# Altium PCB netv2mvp-pvt1b.PCBDOC (part 1 of 7) (continued)
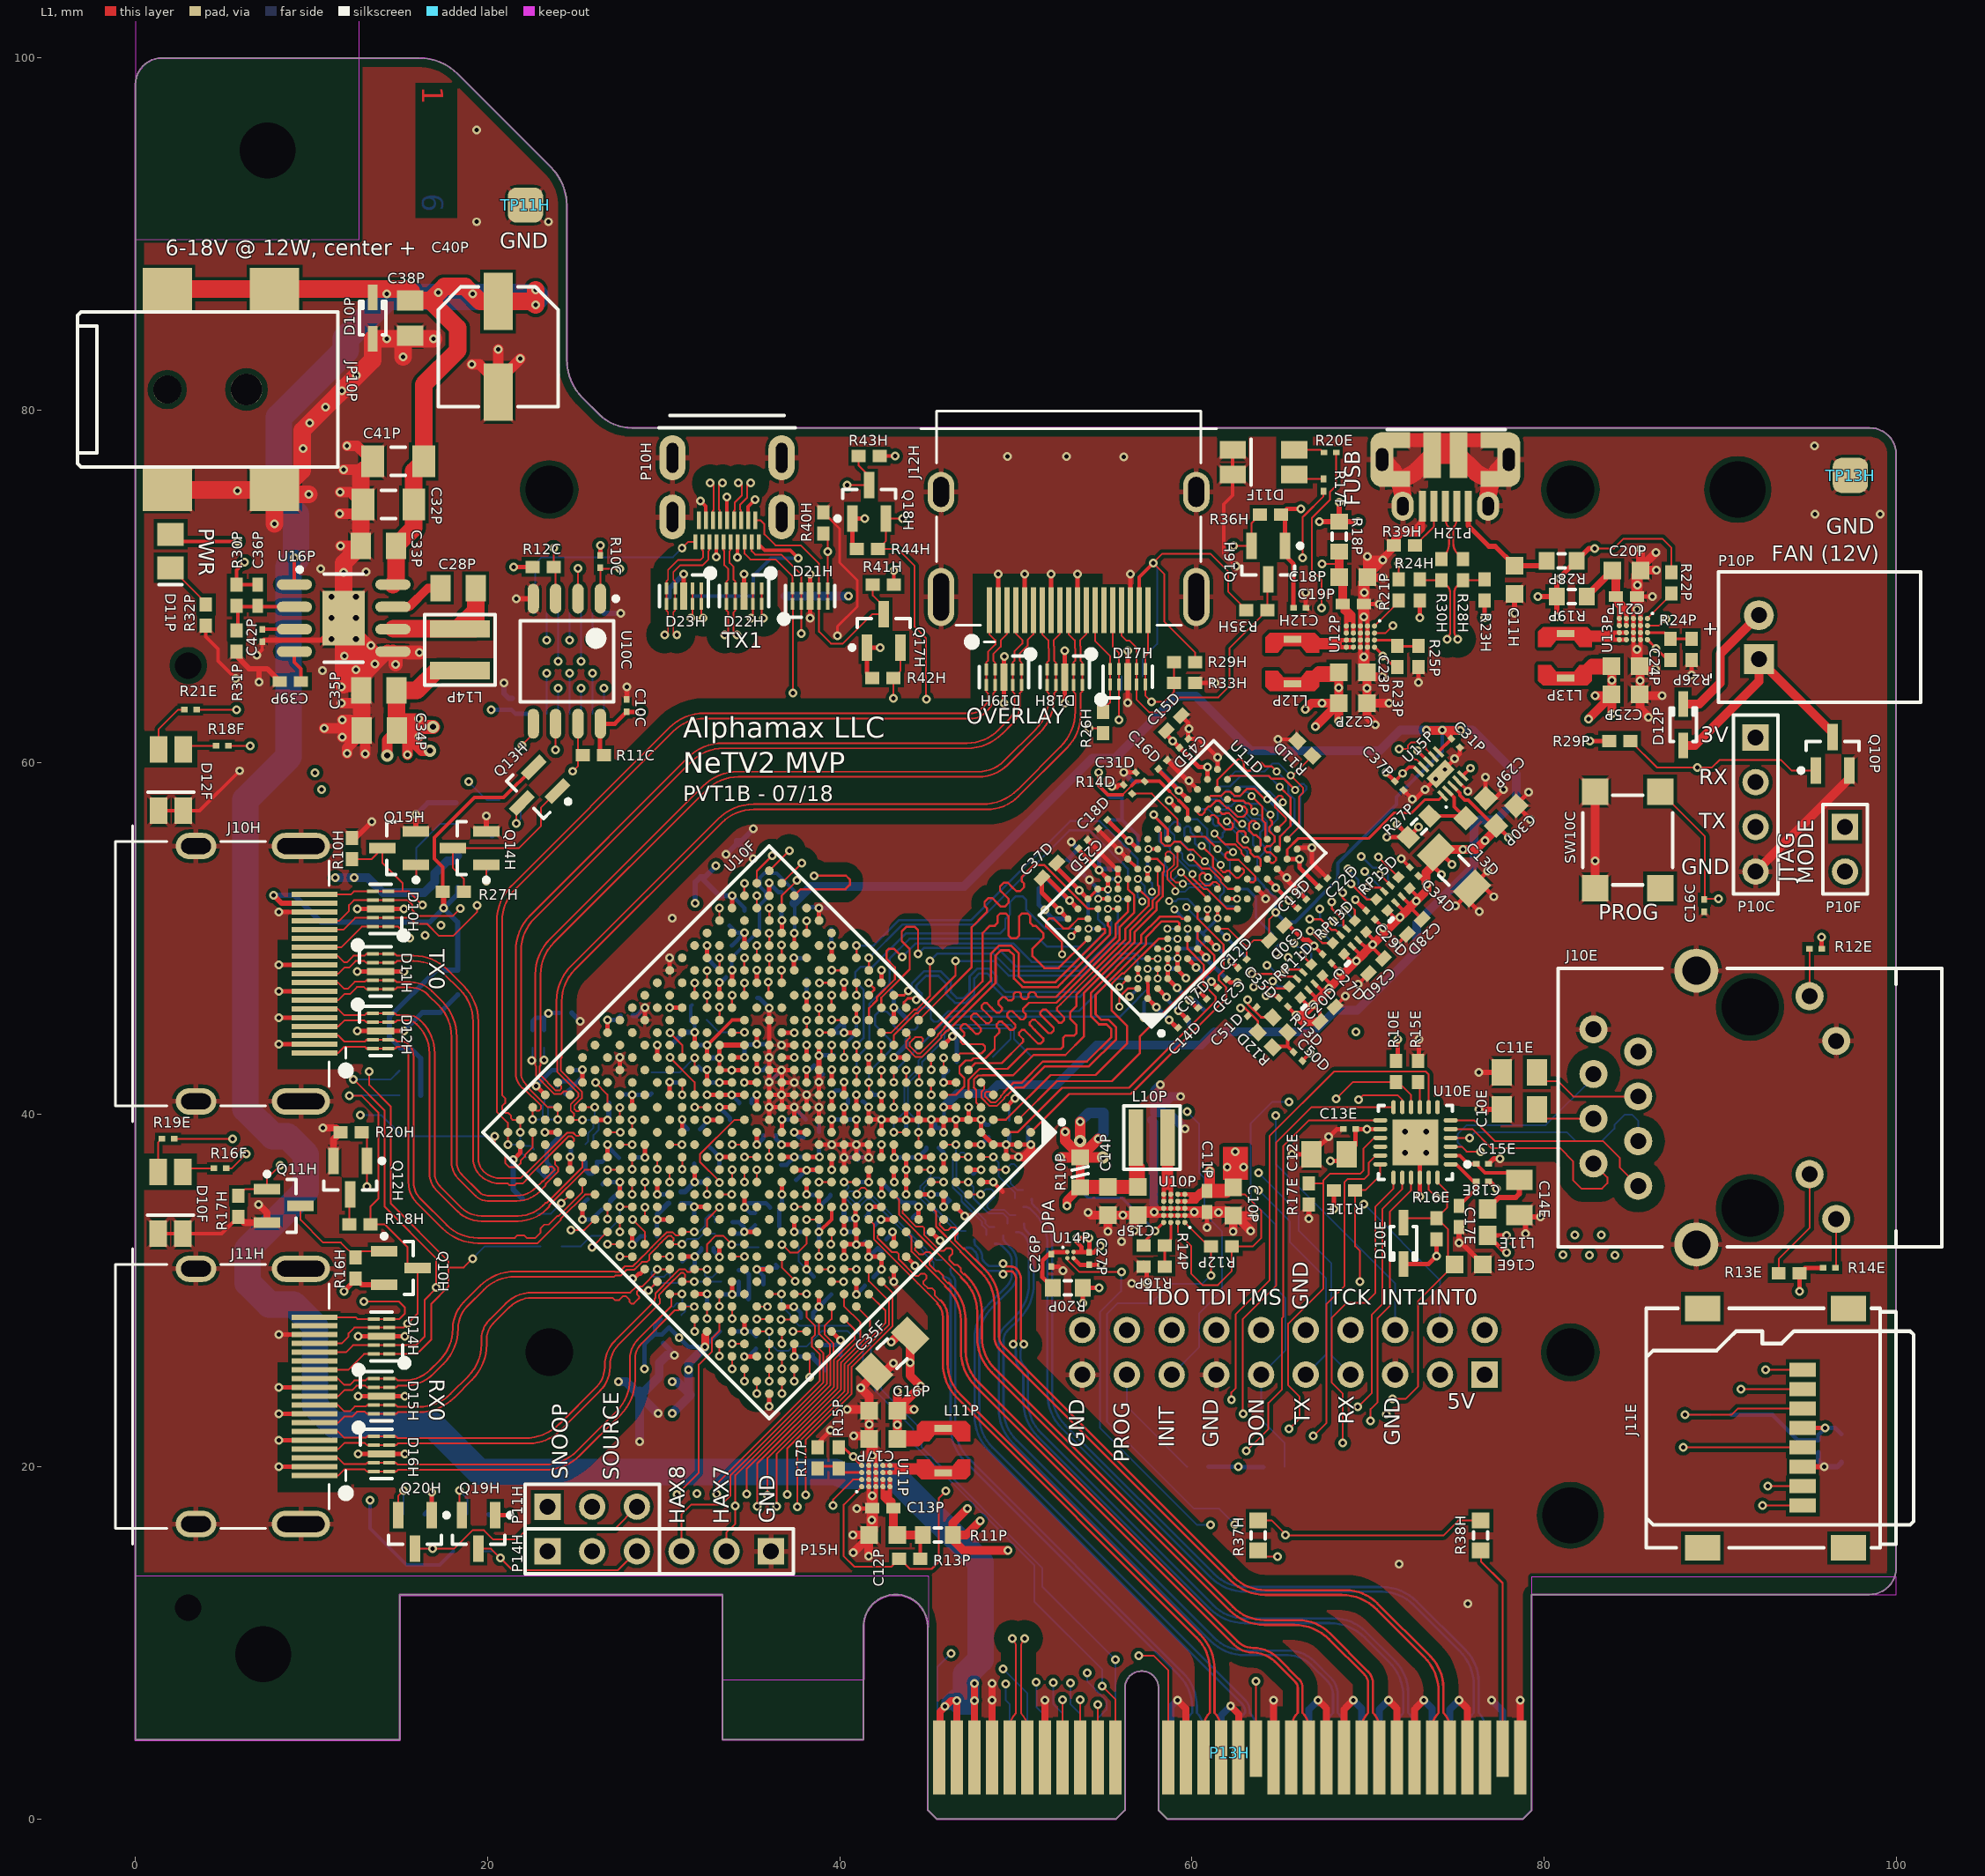
[diagram p0: L1 view]
## Classes and differential pairs (continued)
differential pair TX0_TMDS1: +TX0_TMDS1_P -TX0_TMDS1_N
differential pair TX0_TMDS2: +TX0_TMDS2_P -TX0_TMDS2_N
differential pair TX0_TMDS3: +TX0_TMDS3_P -TX0_TMDS3_N
differential pair TX1_CLK: +TX1_CLK_P -TX1_CLK_N
differential pair TX1_TMDS0: +TX1_TMDS0_P -TX1_TMDS0_N
differential pair TX1_TMDS1: +TX1_TMDS1_P -TX1_TMDS1_N
differential pair TX1_TMDS2: +TX1_TMDS2_P -TX1_TMDS2_N
differential pair FUSB: +FUSB_P -FUSB_N

## Components (designator, comment, footprint, x,y, rotation, side; value= is the part's Value field where it differs from the comment)
C10C "0.1uF, 6.3V, X5R" CAPC0603X03L 27.9,63.225 r90 top
C10D "4.7uF, 6.3V, X5R" CAPC1005N 56.5,58.475 r225 bottom
C10E "0.1uF, 50V, X7R" CAPC2012N 78.6,40.3 r180 top
C10F "4.7uF, 6.3V, X5R" CAPC1005N 43.775,38.3 r90 bottom
C10H "0.1uF, 6.3V, X5R" CAPC0603X03L 21.4,63.3 r90 bottom
C10P "10uF, 6.3V, X5R" CAPC1608N 62.35,35.075 r270 top
C11D "0.1uF, 6.3V, X5R" CAPC0603X03L 54.947,56.493 r225 bottom
C11E "0.1uF, 50V, X7R" CAPC2012N 78.6,42.4 r180 top
C11F "0.1uF, 6.3V, X5R" CAPC0603X03L 38.825,38.675 r90 bottom
C11H "10uF, 6.3V, X5R" CAPC1608N 78.325,70.375 r270 top
C11P "10nF, 25V, X7R" CAPC1005N 60.85,35.075 r270 top
C12D "0.1uF, 6.3V, X5R" CAPC0603X03L 62.867,48.573 r225 top
C12E "22uF, 10V, X5R, 20%" CAPC2012N 67.8,37.75 r180 top
C12F "0.1uF, 6.3V, X5R" CAPC0603X03L 41.75,33.975 r315 bottom
C12H "0.1uF, 6.3V, X5R" CAPC0603X03L 66.125,68.775 r0 top
C12P "10uF, 6.3V, X5R" CAPC1608N 42.475,16.125 r180 top
C13D "100uF, 6.3V, X5R" CAPC3216N 74.88,53.871 r315 top
C13E "0.1uF, 6.3V, X5R" CAPC0603X03L 68.95,39.175 r180 top
C13F "0.47uF, 6.3V, X5R" CAPC0603X03L 33.875,49.25 r90 bottom
C13P "10nF, 25V, X7R" CAPC1005N 42.45,17.65 r180 top
C14D "0.1uF, 6.3V, X5R" CAPC0603X03L 59.473,45.179 r45 top
C14E "22uF, 10V, X5R, 20%" CAPC2012N 78.6,35.3 r270 top
C14F "0.47uF, 6.3V, X5R" CAPC0603X03L 37.7,51.525 r45 bottom
C14P "10uF, 6.3V, X5R" CAPC1608N 55.225,35.1 r270 top
C15D "4.7uF, 6.3V, X5R" CAPC1005N 58.978,62.22 r45 top
C15E "0.1uF, 6.3V, X5R" CAPC0603X03L 76.5,37.2 r0 top
C15F "0.1uF, 6.3V, X5R" CAPC0603X03L 42.4,32.675 r225 bottom
C15P "10uF, 6.3V, X5R" CAPC1608N 56.925,35.1 r270 top
C16C "0.1uF, 6.3V, X5R" CAPC0603X03L 89.1,51.859 r270 top
C16D "0.1uF, 6.3V, X5R" CAPC0603X03L 58.342,59.887 r45 top
C16E "10uF, 6.3V, X5R" CAPC1608N 75.725,31.5 r0 top
C16F "0.1uF, 6.3V, X5R" CAPC0603X03L 48.45,39.075 r90 bottom
C16P "10uF, 6.3V, X5R" CAPC1608N 42.475,23.175 r180 top
C17D "0.1uF, 6.3V, X5R" CAPC0603X03L 60.604,46.31 r45 top
C17E "4.7uF, 6.3V, X5R" CAPC1005N 75.175,34.225 r270 top
C17F "4.7uF, 6.3V, X5R" CAPC1005N 44.575,33.725 r315 bottom
C17P "10uF, 6.3V, X5R" CAPC1608N 42.475,21.575 r180 top
C18D "0.1uF, 6.3V, X5R" CAPC0603X03L 54.947,56.493 r225 top
C18E "0.1uF, 6.3V, X5R" CAPC0603X03L 76.5,36.2 r0 top
C18F "0.47uF, 6.3V, X5R" CAPC0603X03L 45.675,39.5 r225 bottom
C18P "10uF, 6.3V, X5R" CAPC1608N 69.175,70.525 r0 top
C19D "0.1uF, 6.3V, X5R" CAPC0603X03L 66.261,51.967 r45 top
C19E "10uF, 6.3V, X5R" CAPC1608N 96.9,21.05 r270 bottom
C19F "0.47uF, 6.3V, X5R" CAPC0603X03L 39.925,43.625 r225 bottom
C19P "10nF, 25V, X7R" CAPC1005N 69.175,69 r0 top
C20D "4.7uF, 6.3V, X5R" CAPC1005N 67.7,45.7 r45 top
C20E "0.1uF, 6.3V, X5R" CAPC0603X03L 95.6,21.15 r270 bottom
C20F "0.1uF, 6.3V, X5R" CAPC0603X03L 50.196,35.007 r135 bottom
C20P "10uF, 6.3V, X5R" CAPC1608N 84.675,70.9 r0 top
C21D "4.7uF, 6.3V, X5R" CAPC1005N 58.978,62.22 r45 bottom
C21F "0.1uF, 6.3V, X5R" CAPC0603X03L 45.584,31.03 r315 bottom
C21P "10nF, 25V, X7R" CAPC1005N 84.675,69.425 r0 top
C22D "0.22uF, 6.3V, X5R" CAPC0603X03L 67.463,53.169 r45 top
C22F "0.1uF, 6.3V, X5R" CAPC0603X03L 50.656,35.466 r135 bottom
C22P "10uF, 6.3V, X5R" CAPC1608N 69.15,63.375 r0 top
C23D "0.22uF, 6.3V, X5R" CAPC0603X03L 61.736,47.442 r225 top
C23F "0.1uF, 6.3V, X5R" CAPC0603X03L 46.044,31.49 r315 bottom
C23P "10uF, 6.3V, X5R" CAPC1608N 69.15,65.125 r0 top
C24D "0.22uF, 6.3V, X5R" CAPC0603X03L 58.342,59.887 r45 bottom
C24F "0.1uF, 6.3V, X5R" CAPC0603X03L 48.576,32.916 r135 bottom
C24P "10uF, 6.3V, X5R" CAPC1608N 84.625,65.475 r0 top
C25D "0.22uF, 6.3V, X5R" CAPC0603X03L 53.816,55.361 r45 top
C25F "0.1uF, 6.3V, X5R" CAPC0603X03L 49.036,33.376 r135 bottom
C25P "10uF, 6.3V, X5R" CAPC1608N 84.625,63.875 r0 top
C26D "4.7uF, 6.3V, X5R" CAPC1005N 70.455,48.446 r225 top
C26F "0.47uF, 6.3V, X5R" CAPC0603X03L 33.425,39.7 r180 bottom
C26P "1.0uF, 6.3V, X5R" CAPC0603X03L 52.025,31.725 r270 top
C27D "0.1uF, 6.3V, X5R" CAPC0603X03L 67.675,48.856 r315 top
C27F "0.1uF, 6.3V, X5R" CAPC0603X03L 49.768,33.579 r135 bottom
C27P "1.0uF, 6.3V, X5R" CAPC0603X03L 54.175,31.825 r270 top
C28D "4.7uF, 6.3V, X5R" CAPC1005N 72.655,50.671 r225 top
C28F "4.7uF, 6.3V, X5R" CAPC1005N 31.725,41.825 r180 bottom
C28P "0.1uF, 50V, X7R" CAPC2012N 18.325,69.9 r180 top
C29D "0.1uF, 6.3V, X5R" CAPC0603X03L 70.15,51.331 r315 top
C29F "4.7uF, 6.3V, X5R" CAPC1005N 37.1,36.725 r315 bottom
C29P "10uF, 6.3V, X5R" CAPC1608N 76.125,57.4 r45 top
C30D "4.7uF, 6.3V, X5R" CAPC1005N 64.825,50.325 r225 top
C30F "0.47uF, 6.3V, X5R" CAPC0603X03L 41.25,33.1 r315 bottom
C30P "10uF, 6.3V, X5R" CAPC1608N 77.85,56.975 r45 top
C31D "0.1uF, 6.3V, X5R" CAPC0603X03L 57.069,59.18 r135 top
C31F "0.47uF, 6.3V, X5R" CAPC0603X03L 39.125,35.45 r0 bottom
C31P "0.22uF, 6.3V, X5R" CAPC0603X03L 74.975,61.1 r315 top
C32D "0.1uF, 6.3V, X5R" CAPC0603X03L 65.554,50.694 r315 bottom
C32F "0.47uF, 6.3V, X5R" CAPC0603X03L 37.7,38.45 r225 bottom
C32P "10uF, 50V, X7R" CAPC3216N 14.362,74.65 r0 top
C33D "0.1uF, 6.3V, X5R" CAPC0603X03L 65.2,46.381 r315 bottom
C33F "0.47uF, 6.3V, X5R" CAPC0603X03L 38.45,37.225 r315 bottom
C33P "0.1uF, 50V, X7R" CAPC2012N 13.8,72.3 r180 top
C34D "0.1uF, 6.3V, X5R" CAPC0603X03L 72.625,53.806 r315 top
C34F "0.47uF, 6.3V, X5R" CAPC0603X03L 36.025,38.825 r0 bottom
C34P "22uF, 10V, X5R, 20%" CAPC2012N 13.85,61.825 r180 top
C35D "0.1uF, 6.3V, X5R" CAPC0603X03L 65.2,46.381 r315 top
C35F "100uF, 6.3V, X5R" CAPC3216N 42.975,26.425 r225 top
C35P "22uF, 10V, X5R, 20%" CAPC2012N 13.825,64.1 r180 top
C36D "0.1uF, 6.3V, X5R" CAPC0603X03L 59.544,61.089 r45 bottom
C36F "0.1uF, 6.3V, X5R" CAPC0603X03L 50.228,34.038 r135 bottom
C36P "10pF, 50V, NP0" CAPC1005N 6.95,69.5 r270 top
C37D "4.7uF, 6.3V, X5R" CAPC1005N 51.907,53.876 r225 top
C37F "0.1uF, 6.3V, X5R" CAPC0603X03L 46.945,32.69 r135 bottom
C37P "0.1uF, 6.3V, X5R" CAPC0603X03L 71.775,58.675 r315 top
C38D "0.1uF, 6.3V, X5R" CAPC0603X03L 67.463,53.169 r45 bottom
C38F "4.7uF, 6.3V, X5R" CAPC1005N 40.15,39.05 r270 bottom
C38P "0.1uF, 50V, X7R" CAPC2012N 15.6,85.225 r270 top
C39D "0.1uF, 6.3V, X5R" CAPC0603X03L 62.867,48.573 r225 bottom
C39F "0.47uF, 6.3V, X5R" CAPC0603X03L 34.65,40.65 r180 bottom
C39P "3300pF, 25V, X7R" CAPC1005N 8.8,64.6 r180 top
C40D "0.1uF, 6.3V, X5R" CAPC0603X03L 61.736,47.442 r225 bottom
C40F "0.1uF, 6.3V, X5R" CAPC0603X03L 47.404,33.15 r135 bottom
C40P "47uF, 25V, 20%" CAPAE7066X61N 20.6,83.6 r270 top
C41D "0.1uF, 6.3V, X5R" CAPC0603X03L 66.261,51.967 r45 bottom
C41F "0.47uF, 6.3V, X5R" CAPC0603X03L 40.225,41.125 r315 bottom
C41P "10uF, 50V, X7R" CAPC3216N 14.915,77.1 r0 top
C42D "0.1uF, 6.3V, X5R" CAPC0603X03L 67.675,48.856 r315 bottom
C42F "0.47uF, 6.3V, X5R" CAPC0603X03L 36.075,42.45 r315 bottom
C42P "1.0uF, 6.3V, X5R" CAPC0603X03L 7.2,67.2 r270 top
C43D "0.1uF, 6.3V, X5R" CAPC0603X03L 70.15,51.331 r315 bottom
C43F "0.47uF, 6.3V, X5R" CAPC0603X03L 38.8,42.55 r315 bottom
C44D "4.7uF, 6.3V, X5R" CAPC1005N 60.251,45.532 r225 bottom
C44F "0.47uF, 6.3V, X5R" CAPC0603X03L 45.275,38.125 r0 bottom
C45D "0.22uF, 6.3V, X5R" CAPC0603X03L 59.544,61.089 r45 top
C45F "0.47uF, 6.3V, X5R" CAPC0603X03L 37.725,39.725 r0 bottom
C46D "0.22uF, 6.3V, X5R" CAPC0603X03L 53.816,55.361 r225 bottom
C46F "4.7uF, 6.3V, X5R" CAPC1005N 33.85,43.975 r180 bottom
C47D "0.22uF, 6.3V, X5R" CAPC0603X03L 52.685,54.23 r45 bottom
C47F "4.7uF, 6.3V, X5R" CAPC1005N 36,44.675 r90 bottom
C48D "0.22uF, 6.3V, X5R" CAPC0603X03L 51.553,53.098 r45 bottom
C48F "4.7uF, 6.3V, X5R" CAPC1005N 41.025,36.825 r90 bottom
C49D "100uF, 6.3V, X5R" CAPC3216N 33.125,54.525 r225 bottom
C49F "100uF, 6.3V, X5R" CAPC3216N 56.435,40.1 r0 bottom
C50D "0.1uF, 6.3V, X5R" CAPC0603X03L 66.025,43.3 r135 top
C50F "100uF, 6.3V, X5R" CAPC3216N 30.075,24.025 r180 bottom
C51D "3.3pF, NP0" CAPC0603X03L 63.425,45.85 r225 top
C51F "0.47uF, 6.3V, X5R" CAPC0603X03L 27.8,37.55 r0 bottom
C52F "0.47uF, 6.3V, X5R" CAPC0603X03L 32.5,32.425 r0 bottom
C53F "0.47uF, 6.3V, X5R" CAPC0603X03L 30.625,35.625 r0 bottom
C54F "0.47uF, 6.3V, X5R" CAPC0603X03L 35.25,27.05 r90 bottom
C55F "0.47uF, 6.3V, X5R" CAPC0603X03L 35.2,34.075 r90 bottom
C56F "4.7uF, 6.3V, X5R" CAPC1005N 29.325,26.325 r315 bottom
C57F "4.7uF, 6.3V, X5R" CAPC1005N 31.05,34.09 r180 bottom
C58F "4.7uF, 6.3V, X5R" CAPC1005N 31.05,43.975 r180 bottom
C59F "0.47uF, 6.3V, X5R" CAPC0603X03L 41.55,41 r225 bottom
C60F "0.47uF, 6.3V, X5R" CAPC0603X03L 42.675,47.275 r315 bottom
C61F "0.47uF, 6.3V, X5R" CAPC0603X03L 35.325,46.975 r270 bottom
C62F "0.47uF, 6.3V, X5R" CAPC0603X03L 39.2,44.275 r225 bottom
C63F "4.7uF, 6.3V, X5R" CAPC1005N 39.525,51.125 r90 bottom
C64F "4.7uF, 6.3V, X5R" CAPC1005N 43.8,44.85 r90 bottom
C65F "4.7uF, 6.3V, X5R" CAPC1005N 50.7,39.875 r270 bottom
C66F "0.47uF, 6.3V, X5R" CAPC0603X03L 32.225,42.975 r45 bottom
C67F "0.47uF, 6.3V, X5R" CAPC0603X03L 41.675,30.525 r45 bottom
C68F "0.47uF, 6.3V, X5R" CAPC0603X03L 33.55,27.675 r0 bottom
C69F "0.47uF, 6.3V, X5R" CAPC0603X03L 38.15,28.475 r0 bottom
C70F "4.7uF, 6.3V, X5R" CAPC1005N 39.5,34.075 r0 bottom
C71F "4.7uF, 6.3V, X5R" CAPC1005N 32.249,37.899 r225 bottom
C72F "4.7uF, 6.3V, X5R" CAPC1005N 39.6,25.925 r225 bottom
C73F "0.47uF, 6.3V, X5R" CAPC0603X03L 46.4,42.75 r45 bottom
C74F "0.47uF, 6.3V, X5R" CAPC0603X03L 49.625,39.325 r270 bottom
C75F "0.47uF, 6.3V, X5R" CAPC0603X03L 36.7,52.275 r90 bottom
C76F "0.47uF, 6.3V, X5R" CAPC0603X03L 33.3,48.05 r315 bottom
C77F "4.7uF, 6.3V, X5R" CAPC1005N 40.25,46.075 r90 bottom
C78F "4.7uF, 6.3V, X5R" CAPC1005N 34.175,51.15 r225 bottom
C79F "4.7uF, 6.3V, X5R" CAPC1005N 38.125,48.275 r90 bottom
C80F "0.47uF, 6.3V, X5R" CAPC0603X03L 38.475,33 r135 bottom
C81F "0.47uF, 6.3V, X5R" CAPC0603X03L 24.38,38.56 r315 bottom
C82F "0.47uF, 6.3V, X5R" CAPC0603X03L 29.25,33.1 r0 bottom
C83F "0.47uF, 6.3V, X5R" CAPC0603X03L 24.25,42.525 r180 bottom
C84F "4.7uF, 6.3V, X5R" CAPC1005N 26.1,35.625 r45 bottom
C85F "4.7uF, 6.3V, X5R" CAPC1005N 39.125,30.2 r315 bottom
C86F "4.7uF, 6.3V, X5R" CAPC1005N 35.2,29.85 r45 bottom
C87F "0.1uF, 6.3V, X5R" CAPC0603X03L 46.5,34.875 r315 bottom
C88F "0.1uF, 6.3V, X5R" CAPC0603X03L 47.825,36.4 r315 bottom
C89F "0.1uF, 6.3V, X5R" CAPC0603X03L 36.375,34.725 r180 bottom
C90F "0.47uF, 6.3V, X5R" CAPC0603X03L 24.425,45.775 r0 bottom
C91F "0.47uF, 6.3V, X5R" CAPC0603X03L 29.75,27.25 r315 bottom
C92F "0.47uF, 6.3V, X5R" CAPC0603X03L 32.825,29.45 r225 bottom
C93F "0.47uF, 6.3V, X5R" CAPC0603X03L 31.725,39.175 r0 bottom
C94F "0.47uF, 6.3V, X5R" CAPC0603X03L 26.725,34.85 r45 bottom
C95F "0.47uF, 6.3V, X5R" CAPC0603X03L 27.9,45.625 r0 bottom
C96F "0.47uF, 6.3V, X5R" CAPC0603X03L 27.125,40.9 r225 bottom
C97F "0.47uF, 6.3V, X5R" CAPC0603X03L 32.75,36.6 r225 bottom
C98F "0.47uF, 6.3V, X5R" CAPC0603X03L 30.625,34.975 r180 bottom
C99F "0.47uF, 6.3V, X5R" CAPC0603X03L 38.7,26.6 r225 bottom
D10E "NSR0530HT1G" SOD-323 72.025,32.7 r270 top
D10F "Red/Green Dual LED" LED_1210_DUAL 2,35 r90 top
D10H "RCLAMP0524P" SEMTECH_SLP2510P8 13.925,51.675 r90 top
D10P "PESD24VS1UA,115" SOD-323 13.465,85.225 r90 top
D11F "Red/Green Dual LED" LED_1210_DUAL 64.075,77.05 r0 top
D11H "RCLAMP0524P" SEMTECH_SLP2510P8 13.925,48.125 r270 top
D11P "white LED" CD2012-0805 2,72 r270 top
D12F "Red/Green Dual LED" LED_1210_DUAL 2.025,59 r90 top
D12H "RCLAMP0524P" SEMTECH_SLP2510P8 13.925,44.75 r270 top
D12P "NSR0530HT1G" SOD-323 87.9,62.15 r90 top
D13H "ESD5Z5.0T1G" SOD-523 18.3,47.5 r270 bottom
D14H "RCLAMP0524P" SEMTECH_SLP2510P8 13.975,27.4 r90 top
D15H "RCLAMP0524P" SEMTECH_SLP2510P8 13.975,24 r270 top
D16H "RCLAMP0524P" SEMTECH_SLP2510P8 13.975,20.725 r270 top
D17H "RCLAMP0524P" SEMTECH_SLP2510P8 56.35,64.875 r0 top
D18H "RCLAMP0524P" SEMTECH_SLP2510P8 52.775,64.85 r180 top
D19H "RCLAMP0524P" SEMTECH_SLP2510P8 49.325,64.85 r180 top
D20H "ESD5Z5.0T1G" SOD-523 30.875,69.35 r180 bottom
D21H "RCLAMP0524P" SEMTECH_SLP2510P8 38.325,69.45 r0 top
D22H "RCLAMP0524P" SEMTECH_SLP2510P8 34.575,69.45 r180 top
D23H "RCLAMP0524P" SEMTECH_SLP2510P8 31.15,69.45 r180 top
F10H "PRG21BB150MB1RK" RESC2012N 18.7,53.8 r270 bottom
F11H "PRG21BB150MB1RK" RESC2012N 36,69.45 r180 bottom
J10E "KAWEEI CMJ015J-8P8CX-R01GYC / AMP RJMG1BD3B8K1ANR" UDE_RB1-125BAG1A 91.7,40.4 r90 top locked
J10H "AUK HDM19SW-4-L2-1R3HHCN" MOLEX_47151-0001 9.4,48 r270 top
J11E "KAWEEI CTFD001-S-01-WC" AUK_TFC08W01-HC-H 94.7,22.2 r270 top
J11H "AUK HDM19SW-4-L2-1R3HHCN" MOLEX_47151-0001 9.4,24 r270 top
J12H "AUK HDM19SW-4-L2-1R3HHCN" MOLEX_47151-0001 53,69.4 r180 top locked
JP10P "2.1mm x 5.5mm DC jack" CUI_PJ_002AH_SMT 6.305,81.175 r0 top
L10P "0.50uH XEL3530-501ME" COILCRAFT_XEL3530 57.725,38.7 r180 top
L11E "BLM18KG121" INDC1608AN 76.8,33.9 r90 top value="3A 120 ohm"
L11P "0.56uH LPS3008-561MRC" COILCRAFT_LPS3008 45.875,20.925 r90 top
L12P "0.56uH LPS3008-561MRC" COILCRAFT_LPS3008 65.725,65.725 r270 top
L13P "0.56uH LPS3008-561MRC" COILCRAFT_LPS3008 81.225,66.05 r270 top
L14P "3.3uH XEL4030-332ME" COILCRAFT_XEL4030 18.425,66.4 r270 top
P10C "Male 4x1 2.54mm header (DNP)" HDR1X4 92.02,61.42 r270 top
P10F "Header 2 (DNP)" HDR1X2 97.1,56.34 r270 top
P10H "HDMI Type D" MOLEX_0467651301 33.6,79 r180 top
P10P "JST S2B-XH-A" JST_S2B_XH_A 92.2,67.109 r270 top
P11C "Female 10x2 2.54mm header" HDR2X10 76.63,25.23 r180 bottom locked
P11H "Male 3x2.54mm header" HDR1X3 23.4,17.74 r0 top
P12H "KAWEEI CMCUSB-5BFM14M-01-X" "USB_MICRO_B_SMT - KAWEEI" 74.4,77.2 r180 top
P13H "PCIeX4-GF-2D-1000-1K-O64" PCIeX4-GF-2D-1000-1K-O64 55.15,3.5 r0 top locked
P14H "Male 3x2.54mm header" HDR1X3 23.4,15.2 r0 top
P15H "Male 3x2.54mm header (DNP)" HDR1X3 36.1,15.2 r180 top
Q10H "BSS84" SOT23-3N 15.075,31.3 r0 top
Q10P "BSS138" SOT23-3N 96.4,60.497 r90 top
Q11H "BSS138" SOT23-3N 8.425,34.825 r0 top
Q12H "BSS138" SOT23-3N 12.2,36.425 r270 top
Q13H "BSS84" SOT23-3N 22.625,58.375 r225 top
Q14H "BSS138" SOT23-3N 18.975,55.125 r180 top
Q15H "BSS138" SOT23-3N 14.975,55.125 r180 top
Q16H "BSS138" SOT23-3N 64.35,71.35 r270 top
Q17H "BSS138" SOT23-3N 42.5,67.475 r90 top
Q18H "BSS138" SOT23-3N 41.675,74.8 r90 top
Q19H "BSS138" SOT23-3N 19.49,16.3 r270 top
Q20H "BSS138" SOT23-3N 15.865,16.3 r270 top
R10C "2.4k, 1%" CAPC0603X03L 26.4,71.4 r270 top
R10D "240, 1%" CAPC0603X03L 64.847,49.987 r135 bottom
R10E "1k, 1%" RESC1005N 71.6,42.45 r90 top
R10F "1k, 1%" RESC1005N 22.4,34.8 r135 bottom
R10H "100k, 1%" RESC1005N 12.3,55.1 r270 top
R10P "0 ohm" RESC1608N 53.65,36.728 r270 top (schematic designator R38H)
R11C "4.7k, 1%" RESC1005N 26,60.425 r180 top
R11D "4.7k, 1%" RESC1005N 66.425,60.8 r315 top
R11E "1k, 1%" RESC1005N 68.675,35.7 r180 top
R11F "100, 1%" RESC1005N 42.375,36.875 r270 bottom
R11H "51/RP" PANASONIC_EXB24V 30.3,27.91 r135 bottom
R11P "0 ohm" RESC1608N 45.575,16.125 r180 top
R12C "4.7k, 1%" RESC1005N 23.15,71.1 r0 top
R12D "43, 1%" RESC1005N 64.175,44.25 r315 top
R12E "240, 1%" CAPC0603X03L 95.425,49.425 r0 top
R12F "4.7k, 1%" RESC1005N 60.325,20 r0 bottom
R12H "51/RP" PANASONIC_EXB24V 33.27,30.51 r90 bottom
R12P "100k, 1%" RESC1005N 61.675,32.525 r0 top
R13D "43, 1%" RESC1005N 65.025,45.1 r315 top
R13E "4.7k, 1%" RESC1005N 93.925,31 r180 top
R13F "4.7k, 1%" RESC1005N 29.3,41.8 r270 bottom
R13H "51/RP" PANASONIC_EXB24V 31.075,31.675 r315 bottom
R13P "100k, 1%" RESC1005N 43.975,14.775 r0 top
R14D "240, 1%" CAPC0603X03L 56.362,58.472 r315 top
R14E "240, 1%" CAPC0603X03L 96.2,31.3 r180 top
R14F "330, 1%" RESC1005N 64.675,20 r180 bottom
R14H "51/RP" PANASONIC_EXB24V 32.91,33.24 r90 bottom
R14P "100k, 1%" RESC1005N 57.85,32.575 r180 top
R15E "6.49k, 1%" RESC1005N 72.85,42.45 r270 top
R15F "1k, 1%" RESC1005N 32.025,45.8 r315 bottom
R15H "39, 1%" RESC1005N 23.6,32.525 r0 bottom
R15P "100k, 1%" RESC1005N 39.95,20.5 r90 top
R16E "10k, 1%" RESC1005N 73.9,33.525 r90 top
R16F "240, 1%" CAPC0603X03L 4.8,36.95 r0 top
R16H "1k, 1%" RESC1005N 12.5,31.3 r90 top
R16P "402k, 1%" RESC1005N 57.85,31.375 r180 top
R17E "1k, 1%" RESC1005N 66.65,35.5 r90 top
R17F "240, 1%" CAPC0603X03L 67.475,75.75 r270 top
R17H "1k, 1%" RESC1005N 5.85,34.8 r270 top
R17P "80.6k, 1%" RESC1005N 38.75,20.5 r90 top
R18E "10k, 1%" RESC1005N 90.025,22.95 r180 bottom
R18F "240, 1%" CAPC0603X03L 4.925,60.95 r0 top
R18H "39, 1%" RESC1005N 12.75,33.775 r0 top
R18P "0 ohm" RESC1608N 68.375,72.825 r270 top
R19E "240, 1%" CAPC0603X03L 1.85,38.625 r0 top
R19H "51/RP" PANASONIC_EXB24V 22.18,37.56 r45 bottom
R19P "0 ohm" RESC1608N 81.575,69.425 r0 top
R20E "240, 1%" CAPC0603X03L 67.85,77.6 r0 top
R20H "1k, 1%" RESC1005N 12.25,39 r180 top
R20P "0 ohm" RESC1608N 52.95,30.175 r0 top
R21E "240, 1%" CAPC0603X03L 3.125,63 r0 top
R21H "51/RP" PANASONIC_EXB24V 23.95,41.63 r315 bottom
R21P "100k, 1%" RESC1005N 71.75,69.8 r270 top
R22H "51/RP" PANASONIC_EXB24V 22.55,44.8 r0 bottom
R22P "100k, 1%" RESC1005N 87.225,70.2 r90 top
R23H "1.5k, 1%" RESC1005N 76.625,69.8 r90 top
R23P "100k, 1%" RESC1005N 71.675,66.025 r270 top
R24H "1.5k, 1% (DNP)" RESC1005N 72.95,69.8 r90 top
R24P "100k, 1%" RESC1005N 87.175,66.425 r270 top
R25H "51/RP" PANASONIC_EXB24V 25.55,38.31 r0 bottom
R25P "115k, 1%" RESC1005N 72.875,66.025 r270 top
R26H "39, 1%" RESC1005N 54.95,62.275 r270 top
R26P "31.6k, 1%" RESC1005N 88.375,66.425 r270 top
R27H "1k, 1%" RESC1005N 18.05,52.65 r0 top
R27P "0 ohm" RESC1608N 72.9,56.35 r225 top
R28H "39, 1%" RESC1005N 75.4,70.95 r90 top
R28P "0 ohm (DNP)" RESC1608N 81,71.45 r180 top
R29H "1k, 1%" RESC1005N 59.575,65.7 r0 top
R29P "100k, 1%" RESC1005N 84.3,61.225 r180 top
R30H "39, 1%" RESC1005N 74.175,70.95 r90 top
R30P "124k, 1%" RESC1005N 5.75,69.5 r90 top
R31H "1k, 1%" RESC1005N 20.5,55 r90 bottom
R31P "22.1k, 1%" RESC1005N 5.75,66.9 r90 top
R32H "39, 1%" RESC1005N 21.275,57.85 r0 bottom
R32P "3.3k, 1%" RESC1005N 4,68.375 r270 top value=100k
R33H "10k, 1%" RESC1005N 59.575,64.525 r0 top
R34H "1k, 1%" RESC1005N 18.2,57.1 r90 bottom
R35H "47k, 1%" RESC1005N 63.7,68.65 r0 top value=100k
R36H "1.8k, 1%" RESC1005N 64.475,74.075 r180 top value=100k
R37H "DNP" RESC1608N 63.775,16.1 r90 top
R38H "0 ohm" RESC1608N 76.4,16.1 r90 top
R39H "DNP" RESC1005N 72.075,72.325 r180 top
R40H "100k, 1%" RESC1005N 39.075,73.6 r270 top
R41H "1.8k, 1%" RESC1005N 42.475,70.1 r180 top value=100k
R42H "1.8k, 1%" RESC1005N 42.45,64.8 r0 top value=100k
R43H "1.8k, 1%" RESC1005N 41.675,77.4 r180 top value=100k
R44H "1.8k, 1%" RESC1005N 41.575,72.125 r0 top value=100k
R45H "1.8k, 1%" RESC1005N 18.65,15.2 r0 bottom value=100k
R46H "1.8k, 1%" RESC1005N 19.45,17.3 r180 bottom value=100k
R47H "1.8k, 1%" RESC1005N 15.225,15.2 r0 bottom value=100k
R48H "1.8k, 1%" RESC1005N 15.825,17.3 r180 bottom value=100k
R49H "47k, 1%" RESC1005N 15.6,42.5 r180 bottom value=100k
R50H "47k, 1%" RESC1005N 15.6,41.1 r180 bottom value=100k
R51H "47k, 1%" RESC1005N 56.6,64.9 r180 bottom value=100k
RP10D "43, 5%" PANASONIC_EXB28V 67.322,47.795 r225 bottom
RP11D "43, 5%" PANASONIC_EXB28V 66.261,46.734 r45 top
RP12D "43, 5%" PANASONIC_EXB28V 69.797,50.27 r225 bottom
RP13D "43, 5%" PANASONIC_EXB28V 68.736,49.209 r45 top
RP14D "43, 5%" PANASONIC_EXB28V 72.272,52.745 r225 bottom
RP15D "43, 5%" PANASONIC_EXB28V 71.211,51.684 r45 top
SW10C "5x5mm 1.6mm tall PB" SWITCH_TS-1187A 82.9,58.346 r0 top
TP10H "test point (DNP)" TP_2MM_SQ 50.925,43.275 r90 bottom
TP11H "test point (DNP)" TP_2MM_SQ 22.15,91.65 r90 top
TP12H "test point (DNP)" TP_2MM_SQ 48.7,43.275 r0 bottom
TP13H "test point (DNP)" TP_2MM_SQ 97.4,76.3 r90 top
U10C "W25Q64JVSSIM" SOIC127P790X216-8N 24.5,65.75 r270 top
U10D "MT41J128M16HA-125" MICT-HA-96 59.473,53.098 r315 bottom locked
U10E "KSZ8081RND" QFN50P400X400-24VBN 72.7,38.425 r180 top
U10F "XC7A35T-2FGG484C" FGG484 36,39 r225 top locked
U10H "74AHC14PW,118" TSOP65P640-14AN 24.65,65.625 r270 bottom
U10P "FAN53541UCX" BGA20C40P4X5_156X196X62 59,34.675 r180 top
U11D "MT41J128M16HA-125" MICT-HA-96 59.473,53.098 r135 top locked
U11F "50 MHz oscillator" ABRACON_ASDMB 36.49,32.411 r225 bottom
U11P "FAN53541UCX" BGA20C40P4X5_156X196X62 42.05,19.475 r90 top
U12P "FAN53541UCX" BGA20C40P4X5_156X196X62 69.575,67.15 r270 top
U13P "FAN53541UCX" BGA20C40P4X5_156X196X62 85.075,67.575 r270 top
U14P "LP5907UVX-1.2/NOPB" TI_YKE004 53.1,32.025 r0 top
U15P "TPS51206" TI-DSQ-R-PWSON-N10 74.25,58.1 r135 top
U16P "TPS54327DDA" SOIC127P600-8DN 11.825,68.2 r0 top

## Footprints (in the part's own frame and the unit in brackets; to place one, negate y for a bottom-side part, rotate by r counter-clockwise, add the part's x,y. Pads: shape width x height; smd on the part's side, far side on the other; paste and mask are expansions set on the pad)
ABRACON_ASDMB [mm] "Abracon Miniature Pure Silicon Clock Oscillator"
  oct 0.65x0.85 smd mask+0.07: 1(-0.825,-0.775)
  rect 0.65x0.85 smd mask+0.07: 2(0.825,-0.775) 3(0.825,0.775) 4(-0.825,0.775)
  silkscreen extent -1.6,-1.1 0.3,1.1, body extent -1.25,-1 1.25,1, height 0.85
AUK_TFC08W01-HC-H [mm] "Micro-SD hinge-lock card (for captive board mount)"
  rect 1.45x2 smd mask+0.07: 0(-6.8,2.6) 0(-6.8,-5.7) 0(6.8,2.6) 0(6.8,-5.7)
  rect 0.8x1.5 smd mask+0.07: 1(-3.3,0) 2(-2.2,0) 3(-1.1,0) 4(0,0) 5(1.1,0) 6(2.2,0) 7(3.3,0) 8(4.4,0)
  silkscreen extent -6.8,-8.9 6.8,6.3, body extent -6.8,-8.9 6.8,5.3, height 1.9
BGA20C40P4X5_156X196X62 [mm] "BGA, 20-Leads, Body 1.56x1.96mmx0.63mm, Pitch 0.40mm"
  round 0.3 smd mask-0.05: A1(-0.6,0.8) A2(-0.2,0.8) A3(0.2,0.8) A4(0.6,0.8) B1(-0.6,0.4) B2(-0.2,0.4) B3(0.2,0.4) B4(0.6,0.4) C1(-0.6,0) C2(-0.2,0) C3(0.2,0) C4(0.6,0) D1(-0.6,-0.4) D2(-0.2,-0.4) D3(0.2,-0.4) D4(0.6,-0.4) E1(-0.6,-0.8) E2(-0.2,-0.8) E3(0.2,-0.8) E4(0.6,-0.8)
  silkscreen extent -0.93,1.04 -0.84,1.13, body extent -0.78,-0.98 0.78,0.98, height 0.63
CAPAE7066X61N [mm] "Aluminum Electrolytic Capacitor, Body 6.3mm dia, 5.8mm height, IPC Medium Density"
  rect 3.25x1.65 smd: 1(-2.575,0) 2(2.575,0)
  silkscreen extent -3.4,-3.4 3.4,3.4, body extent -3.4,-3.4 3.4,3.4, height 6.1
CAPC0603X03L [mm] "Chip Capacitor, 2-Leads, Body 0.60x0.30mm, IPC High Density"
  rect 0.38x0.32 smd mask+0.07: 1(-0.35,0) 2(0.35,0)
  body extent -0.3,-0.15 0.3,0.15, height 0.3
CAPC1005N [mm] "Chip Capacitor, Body 1.0x0.5mm, IPC Medium Density"
  rect 0.8x0.6 smd: 1(-0.6,0) 2(0.6,0)
  body extent -0.55,-0.3 0.55,0.3, height 0.6
CAPC1608N [mm] "Chip Capacitor, Body 1.6x0.8mm, IPC Medium Density"
  rect 1x1 smd: 1(-0.8,0) 2(0.8,0)
  body extent -0.87,-0.48 0.87,0.48, height 0.85
CAPC2012N [mm] "Chip Capacitor, Body 2.0x1.3mm, IPC Medium Density"
  rect 1.15x1.5 smd: 1(-1,0) 2(1,0)
  body extent -1.1,-0.72 1.1,0.72, height 1.1
CAPC3216N [mm] "Chip Capacitor, Body 3.2x1.6mm, IPC Medium Density"
  rect 1.3x1.8 smd: 1(-1.45,0) 2(1.45,0)
  silkscreen extent -0.4,-0.8 0.4,0.8, body extent -1.7,-0.9 1.7,0.9, height 1.35
CD2012-0805 [mm] "Chip Diode; Body 2.0 x 1.3 mm (LxW typ)"
  rect 1.3x1.5 smd: 1(-0.95,0) 2(0.95,0)
  silkscreen extent 1.9,-0.65 1.9,0.65
COILCRAFT_LPS3008 [mm] "3x3x0.8mm inductor"
  rect 0.4x1 smd: 1(-1.257,0) 2(1.257,0)
  L1 region: -0.495,1.499 -1.384,1.499 -1.638,1.245 -1.638,-1.295 -1.384,-1.549 -0.495,-1.549 -0.495,-0.838 -0.876,-0.533 -0.876,0.483 -0.495,0.787
  L1 region: 0.521,-1.549 1.41,-1.549 1.664,-1.295 1.664,1.245 1.41,1.499 0.521,1.499 0.521,0.787 0.902,0.483 0.902,-0.533 0.521,-0.838
  body extent -1.49,-1.53 1.51,1.47, height 0.81
COILCRAFT_XEL3530 [mm] "Coilcraft Shielded Power Inductor"
  rect 0.81x3.2 smd: 1(-0.9,0) 2(0.9,0)
  silkscreen extent -1.6,-1.8 1.6,1.8, body extent -1.67,-1.83 1.68,1.82, height 3
COILCRAFT_XEL4030 [mm] "Coilcraft XEL4030"
  rect 0.98x3.4 smd: 1(-1.185,0) 2(1.185,0)
  silkscreen extent -2,-2 2,2, body extent -2,-2 2,2, height 3.1
CUI_PJ_002AH_SMT [mm] "SMT 2.1mmx5.5mm ID (P-5) connector"
  round 1.6 hole 1.6 unplated: 0(-4.5,0)
  round 1.8 hole 1.8 unplated: 0(0,0)
  rect 2.8x2.4 smd: 1(-4.5,5.7) 1(1.6,5.7) 2(-4.5,-5.7) 3(1.6,-5.7)
  silkscreen extent -9.6,-4.4 5.2,4.4, body extent -9.5,-6.3 5.3,6.3, height 11.19
FGG484 [mm] "BGA, 484-Balls, Body 23x23mm, Pitch 1mm"
  round 0.5 smd: A1(-10.5,10.5) A2(-9.5,10.5) A3(-8.5,10.5) A4(-7.5,10.5) A5(-6.5,10.5) A6(-5.5,10.5) A7(-4.5,10.5) A8(-3.5,10.5) A9(-2.5,10.5) A10(-1.5,10.5) A11(-0.5,10.5) A12(0.5,10.5) A13(1.5,10.5) A14(2.5,10.5) A15(3.5,10.5) A16(4.5,10.5) A17(5.5,10.5) A18(6.5,10.5) A19(7.5,10.5) A20(8.5,10.5) A21(9.5,10.5) A22(10.5,10.5) AA1(-10.5,-9.5) AA2(-9.5,-9.5) AA3(-8.5,-9.5) AA4(-7.5,-9.5) AA5(-6.5,-9.5) AA6(-5.5,-9.5) AA7(-4.5,-9.5) AA8(-3.5,-9.5) AA9(-2.5,-9.5) AA10(-1.5,-9.5) AA11(-0.5,-9.5) AA12(0.5,-9.5) AA13(1.5,-9.5) AA14(2.5,-9.5) AA15(3.5,-9.5) AA16(4.5,-9.5) AA17(5.5,-9.5) AA18(6.5,-9.5) AA19(7.5,-9.5) AA20(8.5,-9.5) AA21(9.5,-9.5) AA22(10.5,-9.5) AB1(-10.5,-10.5) AB2(-9.5,-10.5) AB3(-8.5,-10.5) AB4(-7.5,-10.5) AB5(-6.5,-10.5) AB6(-5.5,-10.5) AB7(-4.5,-10.5) AB8(-3.5,-10.5) AB9(-2.5,-10.5) AB10(-1.5,-10.5) AB11(-0.5,-10.5) AB12(0.5,-10.5) AB13(1.5,-10.5) AB14(2.5,-10.5) AB15(3.5,-10.5) AB16(4.5,-10.5) AB17(5.5,-10.5) AB18(6.5,-10.5) AB19(7.5,-10.5) AB20(8.5,-10.5) AB21(9.5,-10.5) AB22(10.5,-10.5) B1(-10.5,9.5) B2(-9.5,9.5) B3(-8.5,9.5) B4(-7.5,9.5) B5(-6.5,9.5) B6(-5.5,9.5) B7(-4.5,9.5) B8(-3.5,9.5) B9(-2.5,9.5) B10(-1.5,9.5) B11(-0.5,9.5) B12(0.5,9.5) B13(1.5,9.5) B14(2.5,9.5) B15(3.5,9.5) B16(4.5,9.5) B17(5.5,9.5) B18(6.5,9.5) B19(7.5,9.5) B20(8.5,9.5) B21(9.5,9.5) B22(10.5,9.5) C1(-10.5,8.5) C2(-9.5,8.5) C3(-8.5,8.5) C4(-7.5,8.5) C5(-6.5,8.5) C6(-5.5,8.5) C7(-4.5,8.5) C8(-3.5,8.5) C9(-2.5,8.5) C10(-1.5,8.5) C11(-0.5,8.5) C12(0.5,8.5) C13(1.5,8.5) C14(2.5,8.5) C15(3.5,8.5) C16(4.5,8.5) C17(5.5,8.5) C18(6.5,8.5) C19(7.5,8.5) C20(8.5,8.5) C21(9.5,8.5) C22(10.5,8.5) D1(-10.5,7.5) D2(-9.5,7.5) D3(-8.5,7.5) D4(-7.5,7.5) D5(-6.5,7.5) D6(-5.5,7.5) D7(-4.5,7.5) D8(-3.5,7.5) D9(-2.5,7.5) D10(-1.5,7.5) D11(-0.5,7.5) D12(0.5,7.5) D13(1.5,7.5) D14(2.5,7.5) D15(3.5,7.5) D16(4.5,7.5) D17(5.5,7.5) D18(6.5,7.5) D19(7.5,7.5) D20(8.5,7.5) D21(9.5,7.5) D22(10.5,7.5) E1(-10.5,6.5) E2(-9.5,6.5) E3(-8.5,6.5) E4(-7.5,6.5) E5(-6.5,6.5) E6(-5.5,6.5) E7(-4.5,6.5) E8(-3.5,6.5) E9(-2.5,6.5) E10(-1.5,6.5) E11(-0.5,6.5) E12(0.5,6.5) E13(1.5,6.5) E14(2.5,6.5) E15(3.5,6.5) E16(4.5,6.5) E17(5.5,6.5) E18(6.5,6.5) E19(7.5,6.5) E20(8.5,6.5) E21(9.5,6.5) E22(10.5,6.5) F1(-10.5,5.5) F2(-9.5,5.5) F3(-8.5,5.5) F4(-7.5,5.5) F5(-6.5,5.5) F6(-5.5,5.5) F7(-4.5,5.5) F8(-3.5,5.5) F9(-2.5,5.5) F10(-1.5,5.5) F11(-0.5,5.5) F12(0.5,5.5) F13(1.5,5.5) F14(2.5,5.5) F15(3.5,5.5) F16(4.5,5.5) F17(5.5,5.5) F18(6.5,5.5) F19(7.5,5.5) F20(8.5,5.5) F21(9.5,5.5) F22(10.5,5.5) G1(-10.5,4.5) G2(-9.5,4.5) G3(-8.5,4.5) G4(-7.5,4.5) G5(-6.5,4.5) G6(-5.5,4.5) G7(-4.5,4.5) G8(-3.5,4.5) G9(-2.5,4.5) G10(-1.5,4.5) G11(-0.5,4.5) G12(0.5,4.5) G13(1.5,4.5) G14(2.5,4.5) G15(3.5,4.5) G16(4.5,4.5) G17(5.5,4.5) G18(6.5,4.5) G19(7.5,4.5) G20(8.5,4.5) G21(9.5,4.5) G22(10.5,4.5) H1(-10.5,3.5) H2(-9.5,3.5) H3(-8.5,3.5) H4(-7.5,3.5) H5(-6.5,3.5) H6(-5.5,3.5) H7(-4.5,3.5) H8(-3.5,3.5) H9(-2.5,3.5) H10(-1.5,3.5) H11(-0.5,3.5) H12(0.5,3.5) H13(1.5,3.5) H14(2.5,3.5) H15(3.5,3.5) H16(4.5,3.5) H17(5.5,3.5) H18(6.5,3.5) H19(7.5,3.5) H20(8.5,3.5) H21(9.5,3.5) H22(10.5,3.5) J1(-10.5,2.5) J2(-9.5,2.5) J3(-8.5,2.5) J4(-7.5,2.5) J5(-6.5,2.5) J6(-5.5,2.5) J7(-4.5,2.5) J8(-3.5,2.5) J9(-2.5,2.5) J10(-1.5,2.5) J11(-0.5,2.5) J12(0.5,2.5) J13(1.5,2.5) J14(2.5,2.5) J15(3.5,2.5) J16(4.5,2.5) J17(5.5,2.5) J18(6.5,2.5) J19(7.5,2.5) J20(8.5,2.5) J21(9.5,2.5) J22(10.5,2.5) K1(-10.5,1.5) K2(-9.5,1.5) K3(-8.5,1.5) K4(-7.5,1.5) K5(-6.5,1.5) K6(-5.5,1.5) K7(-4.5,1.5) K8(-3.5,1.5) K9(-2.5,1.5) K10(-1.5,1.5) K11(-0.5,1.5) K12(0.5,1.5) K13(1.5,1.5) K14(2.5,1.5) K15(3.5,1.5) K16(4.5,1.5) K17(5.5,1.5) K18(6.5,1.5) K19(7.5,1.5) K20(8.5,1.5) K21(9.5,1.5) K22(10.5,1.5) L1(-10.5,0.5) L2(-9.5,0.5) L3(-8.5,0.5) L4(-7.5,0.5) L5(-6.5,0.5) L6(-5.5,0.5) L7(-4.5,0.5) L8(-3.5,0.5) L9(-2.5,0.5) L10(-1.5,0.5) L11(-0.5,0.5) L12(0.5,0.5) L13(1.5,0.5) L14(2.5,0.5) L15(3.5,0.5) L16(4.5,0.5) L17(5.5,0.5) L18(6.5,0.5) L19(7.5,0.5) L20(8.5,0.5) L21(9.5,0.5) L22(10.5,0.5) M1(-10.5,-0.5) M2(-9.5,-0.5) M3(-8.5,-0.5) M4(-7.5,-0.5) M5(-6.5,-0.5) M6(-5.5,-0.5) M7(-4.5,-0.5) M8(-3.5,-0.5) M9(-2.5,-0.5) M10(-1.5,-0.5) M11(-0.5,-0.5) M12(0.5,-0.5) M13(1.5,-0.5) M14(2.5,-0.5) M15(3.5,-0.5) M16(4.5,-0.5) M17(5.5,-0.5) M18(6.5,-0.5) M19(7.5,-0.5) M20(8.5,-0.5) M21(9.5,-0.5) M22(10.5,-0.5) N1(-10.5,-1.5) N2(-9.5,-1.5) N3(-8.5,-1.5) N4(-7.5,-1.5) N5(-6.5,-1.5) N6(-5.5,-1.5) N7(-4.5,-1.5) N8(-3.5,-1.5) N9(-2.5,-1.5) N10(-1.5,-1.5) N11(-0.5,-1.5) N12(0.5,-1.5) N13(1.5,-1.5) N14(2.5,-1.5) N15(3.5,-1.5) N16(4.5,-1.5) N17(5.5,-1.5) N18(6.5,-1.5) N19(7.5,-1.5) N20(8.5,-1.5) N21(9.5,-1.5) N22(10.5,-1.5) P1(-10.5,-2.5) P2(-9.5,-2.5) P3(-8.5,-2.5) P4(-7.5,-2.5) P5(-6.5,-2.5) P6(-5.5,-2.5) P7(-4.5,-2.5) P8(-3.5,-2.5) P9(-2.5,-2.5) P10(-1.5,-2.5) P11(-0.5,-2.5) P12(0.5,-2.5) P13(1.5,-2.5) P14(2.5,-2.5) P15(3.5,-2.5) P16(4.5,-2.5) P17(5.5,-2.5) P18(6.5,-2.5) P19(7.5,-2.5) P20(8.5,-2.5) P21(9.5,-2.5) P22(10.5,-2.5) R1(-10.5,-3.5) R2(-9.5,-3.5) R3(-8.5,-3.5) R4(-7.5,-3.5) R5(-6.5,-3.5) R6(-5.5,-3.5) R7(-4.5,-3.5) R8(-3.5,-3.5) R9(-2.5,-3.5) R10(-1.5,-3.5) R11(-0.5,-3.5) R12(0.5,-3.5) R13(1.5,-3.5) R14(2.5,-3.5) R15(3.5,-3.5) R16(4.5,-3.5) R17(5.5,-3.5) R18(6.5,-3.5) R19(7.5,-3.5) R20(8.5,-3.5) R21(9.5,-3.5) R22(10.5,-3.5) T1(-10.5,-4.5) T2(-9.5,-4.5) T3(-8.5,-4.5) T4(-7.5,-4.5) T5(-6.5,-4.5) T6(-5.5,-4.5) T7(-4.5,-4.5) T8(-3.5,-4.5) T9(-2.5,-4.5) T10(-1.5,-4.5) T11(-0.5,-4.5) T12(0.5,-4.5) T13(1.5,-4.5) T14(2.5,-4.5) T15(3.5,-4.5) T16(4.5,-4.5) T17(5.5,-4.5) T18(6.5,-4.5) T19(7.5,-4.5) T20(8.5,-4.5) T21(9.5,-4.5) T22(10.5,-4.5) U1(-10.5,-5.5) U2(-9.5,-5.5) U3(-8.5,-5.5) U4(-7.5,-5.5) U5(-6.5,-5.5) U6(-5.5,-5.5) U7(-4.5,-5.5) U8(-3.5,-5.5) U9(-2.5,-5.5) U10(-1.5,-5.5) U11(-0.5,-5.5) U12(0.5,-5.5) U13(1.5,-5.5) U14(2.5,-5.5) U15(3.5,-5.5) U16(4.5,-5.5) U17(5.5,-5.5) U18(6.5,-5.5) U19(7.5,-5.5) U20(8.5,-5.5) U21(9.5,-5.5) U22(10.5,-5.5) V1(-10.5,-6.5) V2(-9.5,-6.5) V3(-8.5,-6.5) V4(-7.5,-6.5) V5(-6.5,-6.5) V6(-5.5,-6.5) V7(-4.5,-6.5) V8(-3.5,-6.5) V9(-2.5,-6.5) V10(-1.5,-6.5) V11(-0.5,-6.5) V12(0.5,-6.5) V13(1.5,-6.5) V14(2.5,-6.5) V15(3.5,-6.5) V16(4.5,-6.5) V17(5.5,-6.5) V18(6.5,-6.5) V19(7.5,-6.5) V20(8.5,-6.5) V21(9.5,-6.5) V22(10.5,-6.5) W1(-10.5,-7.5) W2(-9.5,-7.5) W3(-8.5,-7.5) W4(-7.5,-7.5) W5(-6.5,-7.5) W6(-5.5,-7.5) W7(-4.5,-7.5) W8(-3.5,-7.5) W9(-2.5,-7.5) W10(-1.5,-7.5) W11(-0.5,-7.5) W12(0.5,-7.5) W13(1.5,-7.5) W14(2.5,-7.5) W15(3.5,-7.5) W16(4.5,-7.5) W17(5.5,-7.5) W18(6.5,-7.5) W19(7.5,-7.5) W20(8.5,-7.5) W21(9.5,-7.5) W22(10.5,-7.5) Y1(-10.5,-8.5) Y2(-9.5,-8.5) Y3(-8.5,-8.5) Y4(-7.5,-8.5) Y5(-6.5,-8.5) Y6(-5.5,-8.5) Y7(-4.5,-8.5) Y8(-3.5,-8.5) Y9(-2.5,-8.5) Y10(-1.5,-8.5) Y11(-0.5,-8.5) Y12(0.5,-8.5) Y13(1.5,-8.5) Y14(2.5,-8.5) Y15(3.5,-8.5) Y16(4.5,-8.5) Y17(5.5,-8.5) Y18(6.5,-8.5) Y19(7.5,-8.5) Y20(8.5,-8.5) Y21(9.5,-8.5) Y22(10.5,-8.5)
  silkscreen extent -12.27,-11.5 11.5,11.5, body extent -11.5,-11.5 11.5,11.5, height 2.6
HDR1X2 [mm] "Connector; Header; 2 Position"
  rect 1.5x1.5 hole 0.9: 1(0,0)
  round 1.5 hole 0.9: 2(2.54,0)
  silkscreen extent -1.27,-1.27 3.81,1.27
HDR1X3 [mm] "Connector; Header; 3 Position"
  rect 1.5x1.5 hole 0.9: 1(0,0)
  round 1.5 hole 0.9: 2(2.54,0) 3(5.08,0)
  silkscreen extent -1.27,-1.27 6.35,1.27